# KiCad board 2000ATX.kicad_pcb (continued)
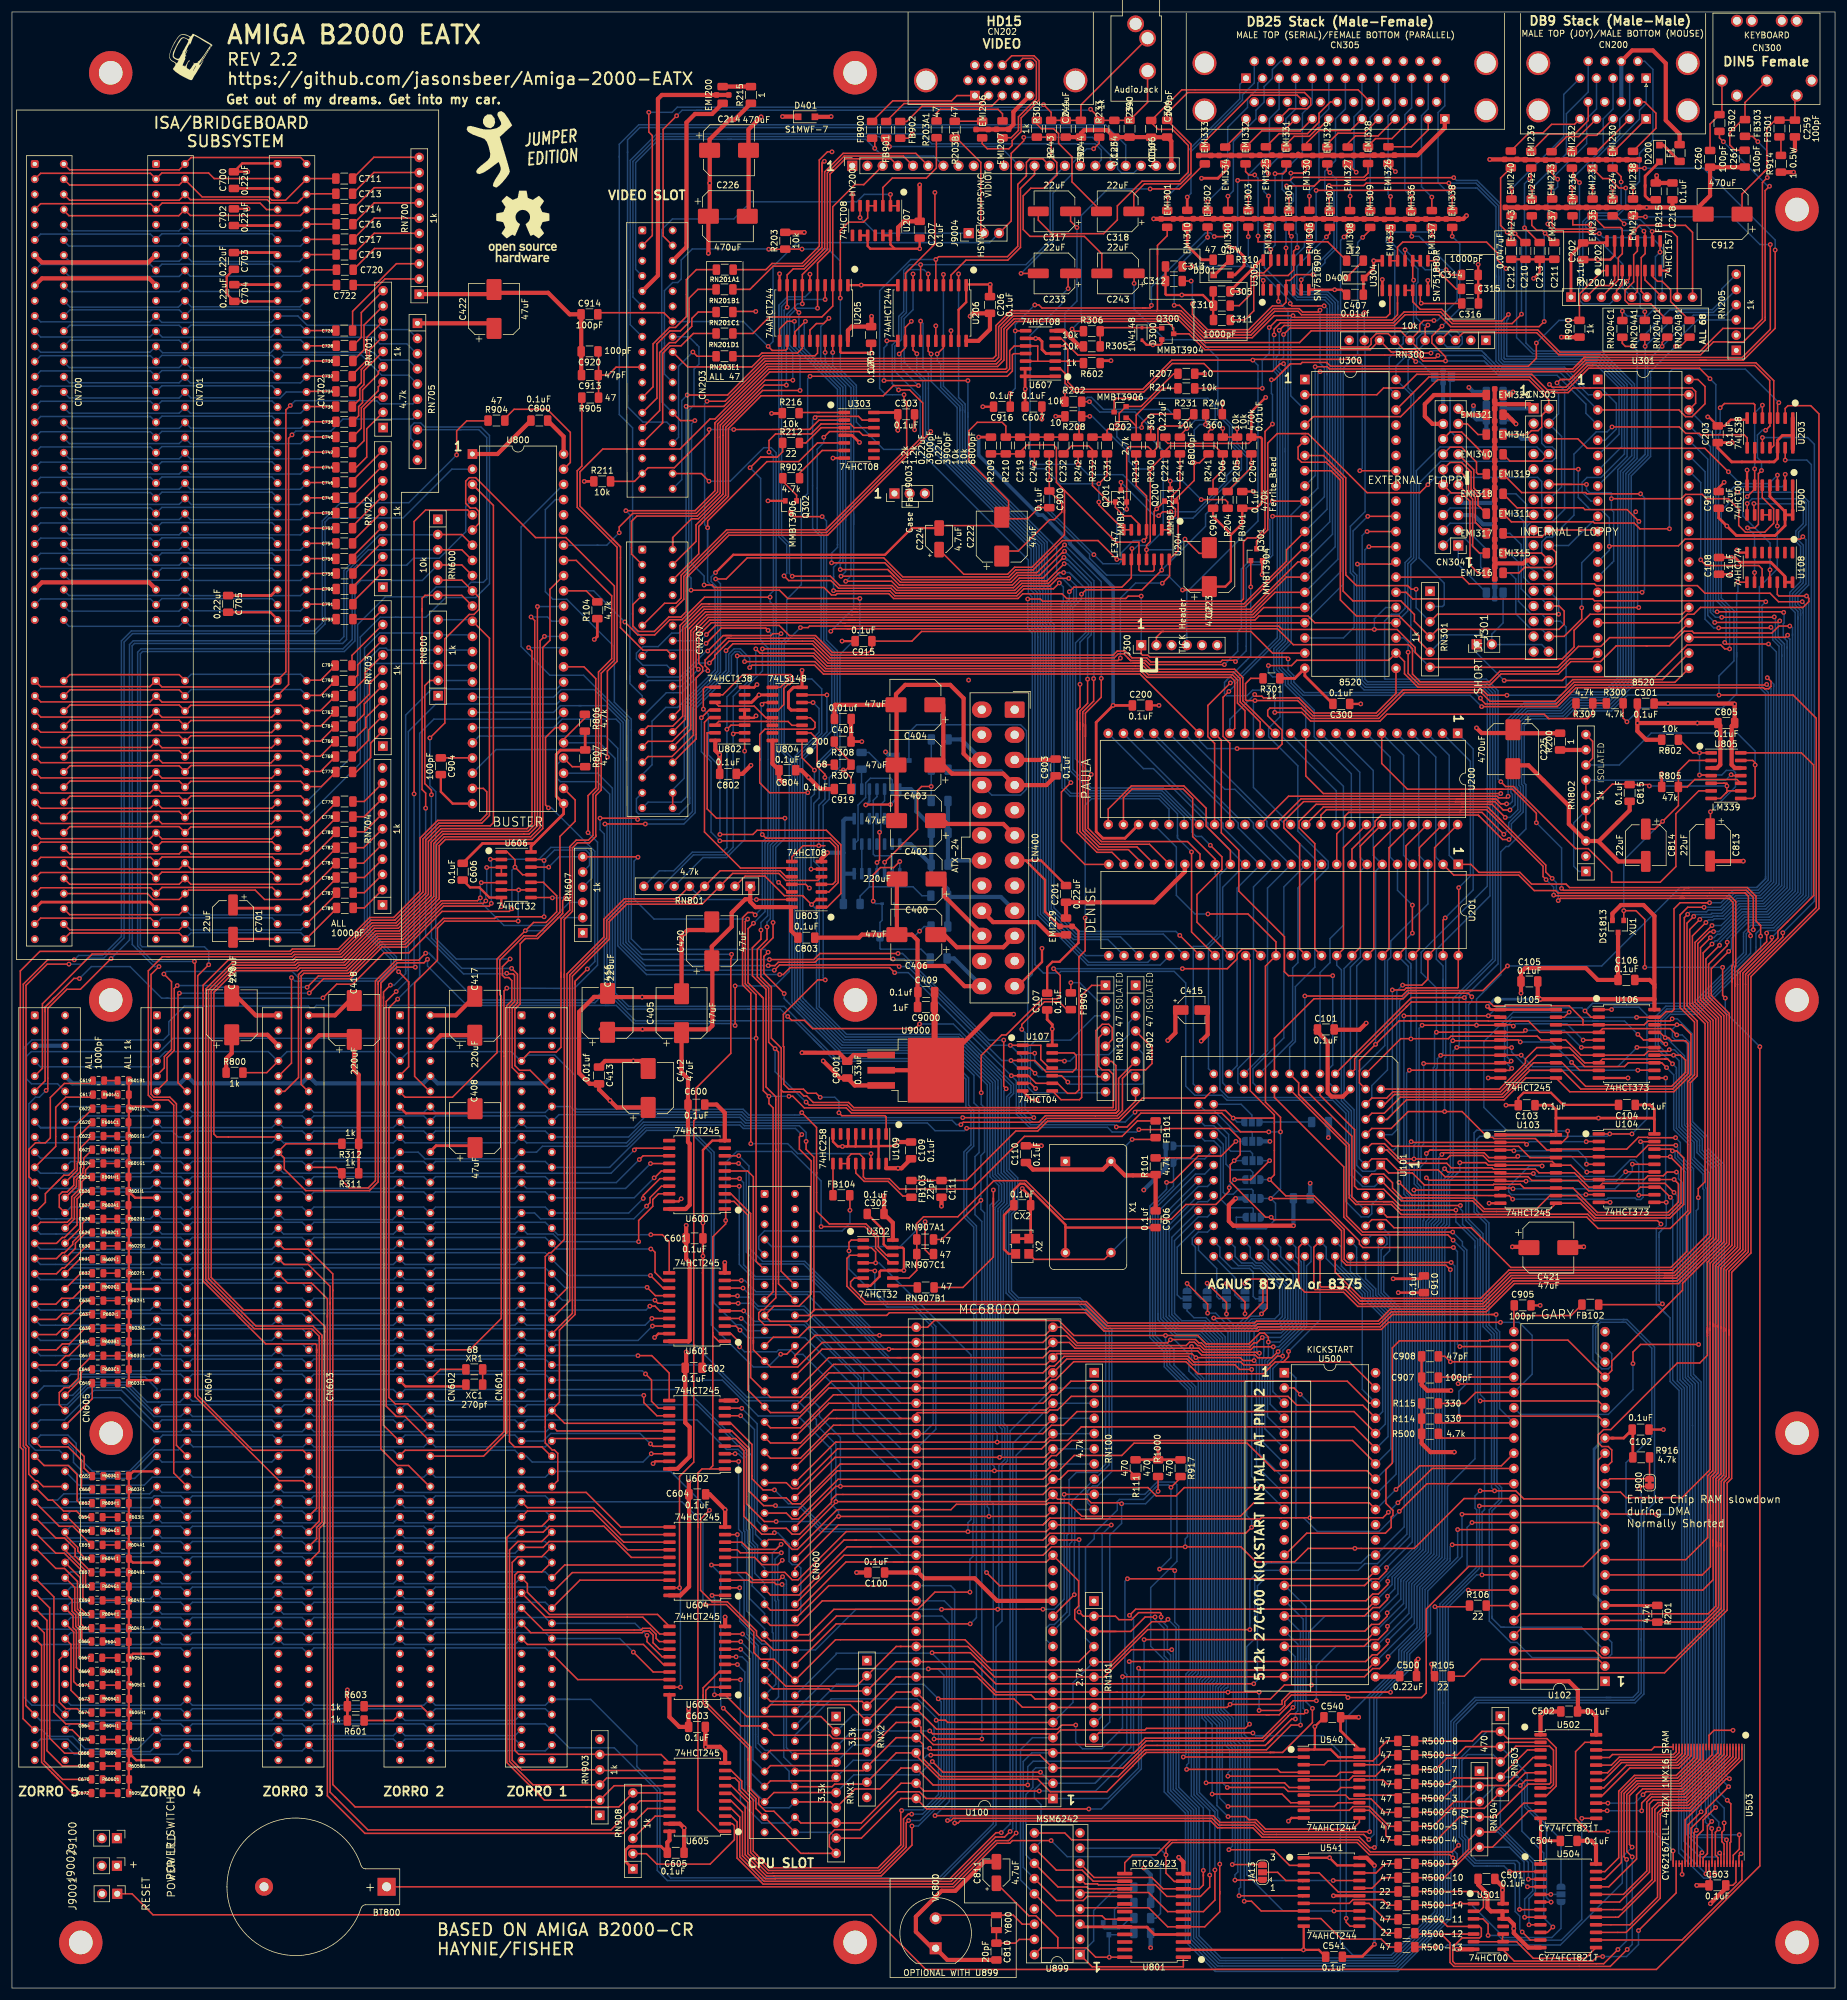
[diagram p0: board, top side]
## Routing (per net, layer and track width the routed paths; a pad name or vN(x,y) marks a point on that pad's centre or on a via; arc(x,y) is an arc through that point) (continued)
  Bottom w0.25: v1(270.05,6.45) 270.89,7.29 v1(270.89,21.91)
/Memory and Kickstart/_MRAS0: length 15.4
  Top w0.25: U501.2 245.34,12.83 246.01,13.5 246.01,15.11 245,16.13 R500-15.1
/Memory and Kickstart/_MRAS1: length 34.2
  Top w0.25: R500-14.1 240.81,13.83 241.08,14.1 U501.1
  Bottom w0.25: 242.11,14.11 v1(242.14,14.11) 243.82,14.11 249.49,8.44 257.45,8.44 258.98,9.97 JA14.3
/Memory and Kickstart/_MWE: length 72.5
  Top w0.25: R500-13.1 234.56,6.85 v1(238.22,6.85) ; v1(270.87,23.54) 270.43,23.98 270.43,32.15 272.01,33.72 279.01,33.72 284.23,38.95 U503.11
  Bottom w0.25: v1(238.22,6.85) 239.66,6.85 240,7.19 258.86,7.19 269.23,17.56 269.23,21.9 v1(270.87,23.54)
/Memory and Kickstart/_SRAMCE: length 40.8
  Top w0.25: U503.26 278.23,15.9 v1(271.94,9.61) ; 249.21,6.47 251.16,4.51 264.3,4.51 265.05,5.26 v1(265.95,5.26)
  Bottom w0.25: v1(271.94,9.61) 271.94,7.27 269.94,5.26 v1(265.95,5.26)
/Memory and Kickstart/CAS: length 23.7
  Top w0.25: 244.26,7.74 249.21,7.74 ; 249.21,7.74 249.21,9.01 ; 249.21,7.74 251.58,7.74 254.35,4.96 263.04,4.96 U504.13
/Memory and Kickstart/DRAB0: length 49.5
  Top w0.25: U502.2 249.56,41.05 RN503.3 243.05,40.34 241.63,38.91 R500-1.1
  Bottom w0.25: RN503.3 253.34,35.84 253.34,30.44 258.98,24.8 JA14.1
/Memory and Kickstart/DRAB1: length 51.3
  Top w0.25: U504.6 255.56,14.36 v1(257.33,14.36) ; U502.3 253.37,39.78 RN503.5 248.69,35.1 241.09,35.1 240.09,34.1 R500-2.1
  Bottom w0.25: v1(257.33,14.36) 256.56,15.13 256.56,26.59 252.89,30.26 252.89,34.19 251.83,35.26 RN503.5
/Memory and Kickstart/DRAB2: length 56.7
  Top w0.25: v1(252.05,13.13) 252.07,13.11 U504.7 255.54,13.11 ; R500-3.1 239.32,31.7 241.3,33.69 RN504.2 245.5,33.84 249.66,33.84 254.33,38.51 U502.4
  Bottom w0.25: v1(252.05,13.13) 252.05,16.93 252.05,20.83 251.58,21.29 245.31,21.29 245.31,21.3 244.79,21.3 243.48,22.6 243.48,24.98 242.87,25.59 242.87,31.21 RN504.2
/Memory and Kickstart/DRAB3: length 55.6
  Top w0.25: 255.55,37.24 U502.5 257.05,37.24 257.28,37.01 257.28,34.33 257.03,34.08 253.48,34.08 248.01,28.61 RN504.4 242.05,28.61 238.15,24.7 R500-4.1 ; v1(252.9,11.83) 255.53,11.83 U504.8
  Bottom w0.25: v1(252.9,11.83) 252.9,14.86 254.25,16.21 254.25,20.92 246.56,28.61 RN504.4
/Memory and Kickstart/DRAB4: length 51.7
  Top w0.25: R500-5.1 237.63,27.02 240.63,30.02 246.15,30.02 RN503.6 249.77,32.72 253.03,35.97 U502.6 255.54,35.96 ; U504.9 v1(253.63,10.57)
  Bottom w0.25: RN503.6 248.84,26.96 254.7,21.1 254.7,16.02 253.63,14.95 v1(253.63,10.57)
/Memory and Kickstart/DRAB5: length 51.6
  Top w0.25: U504.10 256.71,9.3 v1(257.62,10.21) ; R500-6.1 239.32,29.35 241.12,31.15 RN504.3 ; v1(252.17,33.84) 253.03,34.7 U502.7
  Bottom w0.25: v1(257.62,10.21) 256.11,11.72 256.11,22.56 252.44,26.22 252.44,33.61 252.21,33.84 v1(252.17,33.84) 248.04,33.84 RN504.3
/Memory and Kickstart/DRAB6: length 81.4
  Top w0.25: U502.8 257.19,33.43 257.73,33.97 257.73,39.74 257.06,40.41 251.46,40.41 RN503.4 248.21,38.43 239.92,38.43 238,36.5 R500-7.1 ; U504.11 253.84,8.03 v1(252.5,9.37)
  Bottom w0.25: v1(252.5,9.37) 252.1,9.77 252.1,12.01 251.32,12.78 251.32,20.65 251.13,20.84 244.61,20.84 243.03,22.42 243.03,24.79 242.42,25.4 242.42,38.06 243.36,39 247.63,39 RN503.4
/Memory and Kickstart/DRAB7: length 74.5
  Top w0.25: R500-8.1 244.18,41.29 245.77,42.88 RN503.2 250.04,41.68 256.63,41.68 258.18,40.13 258.18,33.76 256.58,32.16 U502.9 ; U504.2 v1(250.38,19.46)
  Bottom w0.25: RN503.2 246.6,42.88 241.97,38.25 241.97,25.22 242.58,24.6 242.58,22.23 244.42,20.39 246.71,20.39 ; v1(250.38,19.46) 249.45,20.39 246.71,20.39 ; 246.71,20.39 246.44,20.39
/Memory and Kickstart/DRAB8: length 41.2
  Top w0.25: R500-9.1 241.14,20.77 243.56,23.19 243.56,24.71 244.92,26.07 RN504.5 247.93,26.07 252.76,30.89 U502.10 ; v1(253.53,18.19) U504.3
  Bottom w0.25: RN504.5 248.47,26.07 253.53,21.01 v1(253.53,18.19)
/Memory and Kickstart/DRAB9: length 41.4
  Top w0.25: RN504.6 244.54,23.53 239.45,18.44 R500-10.1 ; RN504.6 247.51,23.53 253.61,29.62 U502.11 ; RN504.6 246.03,23.53 ; U504.4 v1(253.37,16.92)
  Bottom w0.25: v1(253.37,16.92) 252.8,17.48 252.8,21.09 250.37,23.53 RN504.6
/Memory and Kickstart/DRABx: length 3.4
  Top w0.25: U504.5 v1(257.28,15.65)
  Bottom w0.25: JA14.2 258.98,15.65 v1(257.28,15.65)
/Memory and Kickstart/DRAC0: length 35.9
  Top w0.25: U503.25 277.73,22.9 v1(277.72,22.92) ; v1(266.82,26.14) 263.6,26.14 261.42,28.31 261.42,39.5 262.97,41.05 U502.23
  Bottom w0.25: v1(266.82,26.14) 274.49,26.14 v1(277.72,22.92)
/Memory and Kickstart/DRAC1: length 13.1
  Top w0.25: U503.24 274.6,40.28 274.11,39.78 U502.22
/Memory and Kickstart/DRAC2: length 14.6
  Top w0.25: U503.23 278.23,39.48 277.78,39.02 267.59,39.02 267.08,38.51 U502.21
/Memory and Kickstart/DRAC3: length 15.7
  Top w0.25: U502.20 267.4,37.24 268.73,38.57 277.96,38.57 278.73,39.34 U503.22
/Memory and Kickstart/DRAC4: length 16.8
  Top w0.25: U502.19 266.77,35.97 268.92,38.12 278.15,38.12 279.23,39.2 U503.21
/Memory and Kickstart/DRAC5: length 17.9
  Top w0.25: U503.20 279.73,39.07 278.34,37.67 269.1,37.67 266.14,34.7 U502.18
/Memory and Kickstart/DRAC6: length 19
  Top w0.25: U503.19 280.23,38.93 278.52,37.22 269.92,37.22 266.14,33.43 U502.17
/Memory and Kickstart/DRAC7: length 20.1
  Top w0.25: U502.16 265.88,32.16 270.49,36.77 278.71,36.77 280.73,38.79 U503.18
/Memory and Kickstart/DRAC8: length 25.4
  Top w0.25: U503.8 285.73,40.14 285.68,40.09 285.68,39.13 279.38,32.82 273.23,32.82 v1(272.7,32.29) ; U502.15 v1(266.82,30.89)
  Bottom w0.25: v1(266.82,30.89) 271.3,30.89 v1(272.7,32.29)
/Memory and Kickstart/DRAC9: length 27.3
  Top w0.25: v1(272.47,29.61) 272.47,30.9 273.94,32.37 279.57,32.37 286.23,39.04 U503.7 ; U502.14 v1(266.7,29.62)
  Bottom w0.25: v1(272.47,29.61) 272.46,29.62 v1(266.7,29.62)
/Memory and Kickstart/DRAD1: length 40.7
  Top w0.25: U504.19 268.79,14.38 273.77,19.36 273.77,30.79 274.42,31.43 279.9,31.43 287.23,38.77 U503.5
/Memory and Kickstart/DRAD2: length 42.1
  Top w0.25: U503.4 287.73,38.63 280.08,30.98 275.18,30.98 274.22,30.03 274.22,18.12 269.21,13.11 U504.18
/Memory and Kickstart/DRAD3: length 43.2
  Top w0.25: U504.17 268.58,11.84 274.67,17.93 274.67,29.84 275.37,30.53 280.27,30.53 288.23,38.49 U503.3
/Memory and Kickstart/DRAD4: length 45.6
  Top w0.25: U503.2 288.73,38.36 280.46,30.08 275.96,30.08 275.12,29.24 275.12,15.19 270.5,10.57 U504.16
/Memory and Kickstart/DRAD5: length 46.7
  Top w0.25: U503.1 289.23,38.22 280.64,29.63 276.16,29.63 275.58,29.06 275.58,29.06 275.57,29.06 275.57,15 269.87,9.3 U504.15
/Memory and Kickstart/DRAD6: length 31.3
  Top w0.25: U503.48 289.23,18.05 279.21,8.03 U504.14
/Memory and Kickstart/DRAD7: length 32.6
  Top w0.25: U504.23 266.32,19.46 268.63,21.77 268.63,32.89 271.26,35.52 278.26,35.52 281.23,38.5 U503.17
/Memory and Kickstart/DRAD8: length 34
  Top w0.25: U503.16 281.73,38.36 278.45,35.07 271.45,35.07 269.08,32.71 269.08,20.99 266.28,18.19 U504.22
/Memory and Kickstart/DRAD9: length 36.9
  Top w0.25: U504.21 266.97,16.92 271.62,21.56 271.62,32.26 272.63,33.27 279.2,33.27 285.23,39.31 U503.9
/Memory and Kickstart/DRADx: length 39.7
  Top w0.25: U504.20 269.42,15.65 273.32,19.55 273.32,31.1 274.15,31.92 279.75,31.92 286.73,38.9 U503.6
/Memory and Kickstart/RAS: length 41.5
  Top w0.25: v1(246.8,8.79) 246.8,10.69 245.94,11.55 244.26,11.55 ; U502.13 v1(262.46,28.35)
  Bottom w0.25: v1(262.46,28.35) 262.46,11.42 259.02,7.99 249.3,7.99 248.5,8.79 v1(246.8,8.79)
/Paula/FIR0: length 26.3
  Top w0.25: v1(271.02,300.79) 271.02,298.73
  Bottom w0.25: v1(271.02,300.79) 272.1,301.87 272.1,306.57 274.35,308.82 274.35,320.59 272.97,321.97 CN200.6
/Power/_PS-ON: length 44.3
  Bottom w0.25: 161.67,200.55 CN400.16 163.82,199.34 168.63,199.34 169.62,200.32 169.62,210.11 168.63,211.09 151.24,211.09 149.97,209.81 Q9100.3
/Serial/CD: length 117
  Top w0.25: U305.11 v1(213,290.78) ; 213.07,301.13 v1(213.09,301.13) 217.75,301.13 218.73,302.11 226.2,302.11 226.45,302.37 ; 226.45,302.37 226.59,302.51 v1(241.05,302.51) ; 226.45,302.37 226.49,302.41
  Bottom w0.25: v1(213,290.78) 213,297.38 214.24,298.62 214.24,299.76 213.06,300.95 ; v1(241.05,302.51) 241.51,302.05 244.96,302.05 ; 244.96,302.06 249.01,298.01 249.01,290.41 ; 249.01,284.09 249.01,272.2 249.46,271.75 264.98,271.75 269.14,267.59 269.14,257.56 U301.7 ; 249.01,284.09 249.01,285.34 ; 249.01,284.09 249.01,290.41 ; 249.01,290.41 249.01,290.9
/Serial/CTS: length 113.4
  Top w0.25: U305.6 v1(215.54,285.45) ; v1(220.22,301.19) 226.01,301.19 226.42,301.6 v1(240.23,301.6)
  Bottom w0.25: 245.25,301.13 244.78,301.6 v1(240.23,301.6) ; 245.25,301.13 245.12,301.26 ; 245.25,301.13 248.56,297.82 248.56,289.26 ; U301.6 268.69,259.65 268.69,267.41 264.79,271.3 249.27,271.3 248.56,272.02 248.56,285.45 ; v1(220.22,301.19) 221.03,300.38 221.03,290.93 220.68,290.58 ; 248.56,285.45 248.56,286.05 ; 248.56,285.45 248.56,289.26 ; 220.68,290.58 v1(215.54,285.45) ; 220.68,290.58 220.97,290.87 ; 248.56,289.26 248.56,290.71
/Serial/DSR: length 102.9
  Top w0.25: U305.8 v1(216.81,290.73) ; v1(241,300.79) 240.6,300.39 v1(218.04,300.39)
  Bottom w0.25: 248.11,276.4 248.11,271.83 249.09,270.85 259.57,270.85 263.05,267.37 265.67,267.37 268.24,264.8 268.24,260.51 266.35,258.62 U301.5 ; 248.11,276.4 248.11,285.95 ; 248.11,276.4 248.11,276.81 ; 248.11,285.95 248.11,289.71 ; 248.11,285.95 248.11,286.21 ; 248.11,289.71 248.11,290.53 ; 248.11,289.71 248.11,297.63 244.96,300.79 244.71,300.79 244.7,300.79 v1(241,300.79) ; v1(218.04,300.39) 218.04,291.95 217.17,291.08 ; 217.17,291.08 v1(216.81,290.73) ; 217.17,291.08 217.64,291.56
/Serial/DTR: length 87
  Top w0.25: U304.13 U304.12 231.65,290.88 232.51,291.74 246.53,291.74 248.36,289.92 248.36,288.75 v1(249.78,287.32)
  Bottom w0.25: U301.9 263.99,248.46 262.52,249.94 262.52,251.6 263.33,252.42 265.67,252.42 269.59,256.34 269.59,267.78 265.16,272.2 249.65,272.2 249.46,272.39 249.46,287 v1(249.78,287.32)
/Serial/RESET: length 514.4
  Top w0.25: v1(292.23,157.29) 292.23,20.4 274.93,3.11 152.79,3.11 143.65,12.25 23.57,12.25 20.07,15.75 J9001.1 ; v1(272.99,170.56) 272.99,178.56 271.53,180.02 v1(269.48,180.02) XU1.1 ; R805.2 278.62,197.59 v1(275.97,194.95) 274.68,193.66 C814.1 ; R805.2 280.11,200.71 281.35,201.95 288.41,201.95 U805.10 ; R805.2 278.62,203.33 280.42,205.13 U805.2 ; v1(286,170.56) 286,165.86 v1(286.45,165.42)
  Bottom w0.25: v1(292.23,157.29) 286.45,163.07 v1(286.45,165.42) ; v1(275.97,194.95) 269.48,188.45 v1(269.48,180.02) ; v1(272.99,170.56) v1(286,170.56)
/Serial/RTS: length 69.1
  Top w0.25: U304.4 U304.5 234.19,281.78 235.46,280.51 239.05,280.51 240.98,278.58 249.12,278.58 v1(250.19,279.65)
  Bottom w0.25: v1(250.19,279.65) 250.19,278.95 249.91,278.67 249.91,272.72 249.98,272.65 265.35,272.65 270.04,267.96 270.04,255.92 U301.8
/Video/_COMPSYNC: length 124.8
  Top w0.25: 97.99,279.64 C914.2 98.21,279.95 108.98,279.95 CN203.14 ; J9004.3 167.06,295.27 167.06,306.58 169.16,308.68 v1(169.16,309.25) ; U205.12 129.6,273.9 129.35,273.65 127.1,273.65 v1(126.43,274.32)
  Bottom w0.25: v1(169.16,309.25) 180.65,309.25 183.67,306.23 HY200.18 ; J9004.3 163.45,291.66 131.25,291.66 127.24,287.64 127.24,275.13 v1(126.43,274.32) 122.28,278.47 CN203.14
/Video/BLUE: length 117.4
  Top w0.25: FB902.2 149.84,309.1 v1(150.56,309.81)
  Bottom w0.25: v1(150.56,309.81) 152.15,309.81 153.8,308.17 181.1,308.17 182.13,307.13 182.13,305.5 HY200.17 ; CN203.15 103.37,277.94 103.37,305.41 107.79,309.83 150.57,309.83
/Video/BURST: length 28.3
  Top w0.25: 134.68,275.26 134.68,273.19 134.24,272.75 125.56,272.75 123.7,270.89 112.96,270.89 CN203.18
/Video/COMPVID: length 175.3
  Bottom w0.25: 101.54,305.96 101.54,308.09 104.8,311.35 182.82,311.35 186.21,307.96 HY200.19 ; 101.54,305.96 101.54,306.11 ; 101.54,305.96 101.54,262.93 103.76,260.7 103.76,229.74 ; 103.76,229.74 103.76,227.25 105.38,225.63 ; 103.76,229.74 103.76,229.51
/Video/GREEN: length 94.8
  Top w0.25: v1(146.7,307.72) 146.16,308.25 146.15,308.25 FB901.2
  Bottom w0.25: HY200.12 165.21,307.72 v1(146.7,307.72) 145.04,309.38 107.98,309.38 103.82,305.22 103.82,282.57 CN203.11
/Video/PIXELSW: length 21.1
  Top w0.25: v1(113.84,273.38) 114.55,272.67 RN203E1.1
  Bottom w0.25: 112.14,271.68 111.91,271.45 ; 112.14,271.68 v1(113.84,273.38) ; 112.14,271.68 111.44,270.98 111.44,259.13 CN203.30
/Video/RED: length 76.9
  Top w0.25: FB900.2 144.25,308.65 v1(144.25,307.41)
  Bottom w0.25: 144.62,307.05 v1(144.25,307.41) 142.74,308.93 120.25,308.93 ; 144.62,307.05 145.54,306.12 154.1,306.12 HY200.7 ; 144.62,307.05 144.73,306.93 ; 119.67,308.93 120.25,308.93 ; 120.25,308.93 108.17,308.93 104.27,305.03 104.27,287.2 CN203.7
/Video/SYNC: length 147.9
  Bottom w0.25: 102.92,306.73 102.92,306.86 ; 102.92,306.73 102.92,308.84 104.96,310.89 175.74,310.89 175.75,310.9 182.32,310.9 184.84,308.38 184.84,303.97 185.5,303.32 187.57,303.32 HY200.20 ; 102.92,306.73 102.92,283.77 ; 102.92,283.44 102.92,283.77 ; 102.92,283.77 102.92,266.12 ; CN203.28 109.48,261.67 105.49,261.67 102.92,264.24 102.92,266.12 ; 102.92,266.12 102.92,265.23
/Zorro_Expansion/_CFGIN2: length 93
  Top w0.25: v1(27.99,166.24) 27.76,166.01 27.76,151.26 29.18,149.83 ; v1(83.59,180.34) 83.16,179.91 71.9,179.91 65.94,173.94 61.87,173.94 56.57,168.64 52.08,168.64 v1(49.71,166.27) ; U606.1 82.8,189.84 84.1,188.54 v1(84.1,187.3) 85.37,186.03 U606.11
  Bottom w0.25: v1(27.99,166.24) 49.68,166.24 v1(49.71,166.27) ; v1(83.59,180.34) 83.59,186.79 v1(84.1,187.3)
/Zorro_Expansion/_CFGIN3: length 65.3
  Top w0.25: 49.5,149.83 48.35,150.98 48.35,169.11 ; v1(79.22,181.66) 78.8,181.24 71.96,181.24 65.56,174.84 61.5,174.84 56.22,169.56 48.81,169.56 48.35,169.11 ; v1(79.38,187.25) 81.78,187.25 U606.3 U606.4 ; 48.35,169.11 48.35,169.16
  Bottom w0.25: v1(79.38,187.25) 79.38,182.98 79.22,182.83 v1(79.22,181.66)
/Zorro_Expansion/_CFGIN4: length 54.1
  Top w0.25: 69.82,149.83 67.32,152.34 67.32,167.93 71.13,171.75 71.13,177.1 72.31,178.28 v1(84.63,178.28) ; U606.9 v1(84.71,183.49) U606.6
  Bottom w0.25: v1(84.63,178.28) 84.63,183.41 v1(84.71,183.49)
/Zorro_Expansion/_CFGIN5: length 46.3
  Top w0.25: 90.14,149.83 86.62,153.35 84.87,153.35 84.08,154.14 84.08,163.56 84.96,164.44 84.96,174.5 85.83,175.37 87.87,175.37 92.07,179.56 92.07,181.7 v1(92.53,182.17) ; U606.8 90.3,182.22 v1(90.35,182.17)
  Bottom w0.25: v1(90.35,182.17) 92.48,182.17
/Zorro_Expansion/_CFGOUT1: length 137.1
  Top w0.25: 7.09,165.46 6.91,165.28 ; 6.91,165.28 5.54,163.91 5.54,163.18 ; 6.91,165.28 7.19,165.56 ; v1(51.99,165.46) 54.28,167.74 56.95,167.74 62.18,172.97 66.37,172.97 72.13,178.73 80.71,178.73 80.99,179.01 v1(88.96,179.01) ; 3.78,149.83 5.54,151.59 5.54,163.18 ; v1(88.96,188.4) 88.8,188.57 U606.13 87.75,188.57 ; 11.25,168.71 10.36,168.71 5.54,163.89 5.54,163.18
  Bottom w0.25: RN607.5 96.55,187.61 96.55,189.57 95.97,190.15 90.71,190.15 v1(88.96,188.4) v1(88.96,179.01) ; 26.06,165.4 25.02,165.4 19.74,170.68 13.28,170.68 v1(11.28,168.68) ; 26.06,165.4 25.83,165.4 ; 26.06,165.4 51.93,165.39 v1(51.99,165.46)
/Zorro_Expansion/_CFGOUT2: length 111.7
  Top w0.25: 27.71,167.59 v1(27.64,167.51) 27.13,167 27.13,156.66 25.93,155.46 25.93,151.66 24.1,149.83 ; v1(79.98,188.62) 81.78,188.62 U606.2 ; v1(80.14,181.25) 79.83,180.79 72.15,180.79 65.75,174.39 61.68,174.39 56.41,169.11 51.23,169.11 v1(49.35,167.23)
  Bottom w0.25: v1(49.35,167.23) 34.42,167.23 34.14,167.51 v1(27.64,167.51) ; RN607.4 97,185.52 97,189.75 96.15,190.6 90.09,190.6 88.11,188.62 v1(79.98,188.62) 80.14,188.47 v1(80.14,181.25)
/Zorro_Expansion/_CFGOUT3: length 84.6
  Top w0.25: 44.42,149.83 45.59,149.83 47.9,152.15 47.9,169.35 48.57,170.01 56.03,170.01 61.31,175.29 65.13,175.29 ; v1(78.46,184.71) 81.78,184.71 U606.5 ; v1(78.31,182.17) 77.83,181.69 71.78,181.69 69.65,179.56 69.61,179.56 65.33,175.29 65.13,175.29 ; 65.13,175.29 65.38,175.29
  Bottom w0.25: RN607.3 93.19,181.41 89.34,177.56 82.25,177.56 78.31,181.5 v1(78.31,182.17) 78.31,184.56 v1(78.46,184.71)
/Zorro_Expansion/_CFGOUT4: length 67.1
  Top w0.25: U606.10 88.83,184.76 91.07,182.52 91.07,179.84 89.29,178.05 87.2,178.05 v1(85.83,176.68) 81.1,171.96 81.1,156.31 73.65,148.85 65.72,148.85 64.74,149.83
  Bottom w0.25: v1(85.83,176.68) 89.1,176.68 91.29,178.87 RN607.2
_AS: length 473.4
  Top w0.25: v1(154.52,44.75) 156.07,44.75 156.44,44.39 U100.6 ; v1(244.07,165.63) 243.47,166.23 233.5,166.23 232.58,165.31 217.69,165.31 211.07,158.7 U101.24 ; U605.9 120.25,36.35 122.02,34.58 122.02,33.37 123.93,31.46 123.93,22.86 124.6,22.2 124.6,22.17 126.68,20.09 144.77,20.09 148.6,23.92 148.6,29.53 v1(148.74,29.67) ; U102.13 252.77,81.74 251.42,83.08 v1(247.88,83.08) v1(245.47,83.08) ; v1(193.27,61.62) 192.87,61.22 190.57,61.22 183.86,54.51 RN101.5
  Bottom w0.25: 245.94,125.46 245.94,125.29 ; 245.94,125.29 245.94,126.04 243.53,128.46 243.53,164.34 244.07,164.88 v1(244.07,165.63) ; 245.94,125.29 245.94,110.52 247.37,109.1 247.37,83.59 v1(247.88,83.08) ; 194.63,54.98 194.63,59.55 ; 194.63,59.55 194.63,60.26 v1(193.27,61.62) ; 194.63,59.55 194.63,34.23 194.63,33.33 198.01,29.95 198.01,8.49 201.92,4.59 230.95,4.59 238.75,12.38 238.75,49.29 238.75,64.17 244.89,70.32 244.89,79.92 244.61,80.2 244.61,82.23 v1(245.47,83.08) ; v1(148.74,29.67) 148.86,29.78 152.33,29.78 154.91,32.37 154.91,44.36 v1(154.52,44.75) 154.52,45.17 151.36,48.33 136.98,48.33 130.91,42.26 CN600.74 ; U100.6 177.39,47.73 177.39,51 RN101.5
_BAS: length 376.4
  Top w0.25: U605.11 108.53,39.01 RN903.5 98.23,39.05 84.72,39.05 84.08,39.69 84.08,69.03 84.59,69.53 88.58,69.53 90.14,71.09 ; 52.28,109.64 52.28,77.68 51.38,76.78 51.38,72.97 49.5,71.09 ; 52.28,109.64 52.28,109.77 ; 52.28,109.64 52.28,110.27 ; v1(89.03,225.86) 88.3,225.13 88.3,193.95 86.72,192.37 72.28,192.37 70.97,191.07 70.97,182.2 64.96,176.19 60.94,176.19 55.66,170.91 47.99,170.91 47.54,170.46 37.19,170.46 33.31,166.58 33.31,118.74 38.75,113.29 49.52,113.29 52.28,110.53 52.28,110.27 ; 52.28,110.27 52.28,110.4 ; CN605.74 11.4,68.58 11.4,63.51 12.43,62.48 C663.2
  Bottom w0.25: 8.86,71.09 9.84,72.07 28.2,72.07 29.18,71.09 30.16,72.07 48.52,72.07 49.5,71.09 50.48,72.07 68.84,72.07 69.82,71.09 70.8,72.07 89.16,72.07 90.14,71.09 ; v1(89.03,225.86) U800.36
_BEER: length 320.6
  Top w0.25: 81.81,165 81.81,165.35 ; 81.81,165 81.81,111.9 76.57,106.65 69.82,106.65 ; 81.81,165 81.81,165.76 81.55,166.02 81.55,171.77 85.6,175.82 87.69,175.82 91.62,179.75 91.62,192.43 94.16,194.97 94.16,198.53 U800.26 ; CN600.46 130.91,77.01 137.73,83.84 v1(138.51,83.84) 172.85,83.82 U100.22 175.17,85.01 176.61,86.45 186.87,86.45 R111.2
  Bottom w0.25: 138.51,83.8 v1(138.51,83.84) 138.51,92 134.99,95.51 134.99,97.04 133.33,98.7 122.92,98.7 114.17,107.46 90.95,107.46 90.14,106.65 89.16,107.63 70.8,107.63 69.82,106.65 68.84,107.63 50.48,107.63 49.5,106.65 48.52,107.63 30.16,107.63 29.18,106.65 28.2,107.63 9.84,107.63 8.86,106.65
_BG: length 258.8
  Top w0.25: v1(166.22,150.27) 165.81,150.67 v1(165.81,158.39) ; v1(126.64,171.86) 134.06,171.86 135.08,172.87 v1(148.13,172.87)
  Bottom w0.25: v1(126.64,171.86) 105.5,171.86 102.63,174.73 102.63,211.67 97.33,216.97 91.83,216.97 90.56,215.7 U800.17 ; v1(148.13,172.87) 148.89,172.87 163.37,158.39 v1(165.81,158.39) ; v1(166.22,150.27) 165.85,149.9 165.85,136.41 167.25,135.01 167.25,130.73 166.2,129.69 166.2,116.14 167.89,114.45 178.16,114.45 182.86,109.75 182.86,105.83 182.84,87.51 181.49,86.16 177.96,86.16 176.73,84.94 176.73,76.02 176.37,75.66 176.37,62.82 174.29,60.74 173.5,60.74 172.92,60.15 172.92,58.2 U100.11
_BGACK: length 709.2
  Top w0.25: v1(172.36,63.3) v1(164.8,63.29) v1(155.42,63.28) ; v1(134.26,262.41) 134.48,262.63 141.53,262.63 142.16,262 144.11,262 144,261.9 ; CN600.62 127.3,56.5 125.74,58.06 125.36,58.06 124.48,58.94 124.48,59.67 119.62,64.53 117.05,64.53 115.13,66.45 115.13,78.35 v1(116.61,79.83) ; 273.79,83.81 272.41,83.81 v1(272.02,83.42) ; RN100.9 v1(175.92,82.5)
  Bottom w0.25: 90.14,86.33 89.16,85.35 70.8,85.35 69.82,86.33 68.84,85.35 50.48,85.35 49.5,86.33 ; CN601.62 110.11,86.33 v1(116.61,79.83) ; 164.85,150.27 164.85,136.13 166.35,134.64 166.35,131.1 165.3,130.06 165.3,128.22 165.3,94.26 165.98,93.58 165.98,88.31 165,87.33 165,63.49 v1(164.8,63.29) ; 164.85,150.27 164.85,150.62 ; 164.85,150.27 164.85,151.68 158.07,158.46 140.09,158.46 139.17,158.46 132.7,164.94 132.7,164.94 132.21,165.43 132.21,205.22 137.07,210.08 137.07,223.12 135.28,224.91 135.28,242.49 133.86,243.91 133.86,260.86 ; CN604.62 30.29,85.35 48.65,85.35 CN603.62 ; 272.39,58.32 272.39,83.05 v1(272.02,83.42) ; 272.39,58.32 272.39,58.06 ; 272.39,58.32 272.39,49.31 271.18,48.1 270.67,48.1 ; RN100.9 189.4,82.5 191.45,84.55 194.32,84.55 194.77,84.1 194.77,71.3 190.38,66.91 190.38,57.12 192.64,54.86 192.64,32.78 196.2,29.21 196.2,7.75 201.17,2.79 231.7,2.79 240.58,11.67 240.58,19.65 241.63,20.7 241.63,22.41 241.03,23.01 241.03,44.36 244.77,48.1 270.67,48.1 ; 29.18,86.33 28.2,85.35 23.44,85.35 22.12,84.04 11.19,84.04 CN605.62 ; 133.86,260.86 133.86,261.01 ; 133.86,260.86 133.86,261.38 133.85,261.39 133.85,261.99 v1(134.26,262.41) ; 147.23,63.28 v1(155.42,63.28) ; 147.23,63.28 141.12,63.28 134.34,56.5 CN600.62 ; 147.23,63.28 147.03,63.28 ; 270.67,48.1 271.05,48.1 ; v1(175.92,82.5) 175.92,64.97 174.24,63.3 v1(172.36,63.3)
_BHS: length 190.2
  Top w0.25: 140,227.13 137.32,227.13 v1(136.91,226.72) ; 140,227.13 139.65,227.13 ; 140,227.13 211.57,227.13 214.23,224.48 233.48,224.48 234.15,223.81 234.15,219.56 235.44,218.27 247,218.27 248.76,220.03 258.39,220.03 260.45,222.1 264.16,222.1 U301.19 ; U205.18 v1(137.22,273.3)
  Bottom w0.25: 140.72,246.29 140.72,244.56 ; 140.72,246.29 140.72,230.54 v1(136.91,226.72) ; 140.72,246.29 140.72,267.61 137.22,271.11 v1(137.22,273.3)
_BLDS: length 381.4
  Top w0.25: U605.13 99.42,35.08 RN903.3 98.24,33.97 87.09,33.97 83.18,37.87 83.18,73.2 84.59,74.61 88.58,74.61 90.14,76.17 ; 49.5,76.17 51.38,78.05 51.38,108.53 ; v1(86.79,229.11) 87.4,228.5 87.4,194.39 86.28,193.27 71.91,193.27 70.07,191.44 70.07,182.58 64.59,177.09 60.57,177.09 55.29,171.81 47.62,171.81 47.17,171.36 36.82,171.36 32.41,166.95 32.41,166.6 ; CN605.70 8.89,75.72 11,73.61 11,73.03 12.27,71.75 C660.2 ; 51.38,108.53 51.38,108.76 ; 51.38,108.53 51.38,108.89 50.1,110.17 40.53,110.17 38.49,112.21 38.49,112.24 32.41,118.32 32.41,166.6 ; 32.41,166.6 32.41,166.74
  Bottom w0.25: 90.14,76.17 89.16,77.15 70.8,77.15 69.82,76.17 68.84,77.15 50.48,77.15 49.5,76.17 48.52,77.15 30.16,77.15 29.18,76.17 28.2,77.15 9.84,77.15 8.86,76.17 ; U800.37 90.25,228.4 89.53,229.11 v1(86.79,229.11)
_BLS: length 93
  Top w0.25: U101.19 218.69,149.21 224.47,143.43 224.47,134.02 225.01,133.47 229.35,133.47 232.06,130.76 v1(242.16,130.76) ; U102.19 265.22,98.1 v1(245.47,98.1)
  Bottom w0.25: v1(242.16,130.76) 242.16,130.19 242.53,129.83 242.53,127.61 245.04,125.09 245.04,98.53 v1(245.47,98.1)
_BOSS: length 224.7
  Top w0.25: U800.39 96.02,233.48 R104.2 ; 127.7,140.15 127.7,139.99 ; 127.7,140.15 127.7,148.94 126.06,150.58 126.06,166.88 123.79,169.15 123.79,173.83 125.22,175.26 v1(125.22,176.78) ; 127.7,140.15 127.7,115.34 125.72,113.36 125.36,113.36 124.85,112.85 124.85,111.76 125.79,110.82 129.93,110.82 130.8,109.96 ; U303.12 140.8,260.73 140.18,261.36 135.27,261.36 133.6,259.69 127.66,259.69 126.57,258.6 v1(126.57,256.67) ; v1(126.75,232.41) 115.79,232.41 112.02,228.65 109.99,228.65 107.45,226.11 104.63,226.11 v1(102.46,228.27)
  Bottom w0.25: 127.31,229.96 127.31,192.13 126.35,191.16 126.35,179.18 125.22,178.05 v1(125.22,176.78) ; 127.31,229.96 127.31,231.08 126.75,231.65 v1(126.75,232.41) 126.75,232.92 127.31,233.48 127.31,255.95 126.59,256.67 ; 127.31,229.96 127.31,230.18 ; U800.39 97.26,233.48 v1(102.46,228.27)
_BR: length 230
  Top w0.25: U100.13 v1(177.61,65.72) ; v1(129.69,162.36) 130.35,161.7 132.49,161.7 133.86,160.32 150.98,160.32 v1(151.74,161.09)
  Bottom w0.25: 123.04,163.58 128.47,163.58 v1(129.69,162.36) ; 123.04,163.58 102.92,163.58 100.38,166.12 100.38,200.51 97.89,203 U800.27 ; 123.04,163.58 125.12,163.58 ; v1(151.74,161.09) 157.38,161.09 165,153.47 ; v1(177.61,65.72) 177.61,74.36 177.68,74.43 177.68,79.49 178.16,79.96 RN100.10 179.82,81.08 179.82,83.04 180.7,83.91 181.49,83.91 183.89,86.31 183.89,108.04 183.89,109.99 178.53,115.35 168.29,115.35 167.1,116.54 167.1,129.31 168.15,130.36 168.15,135.38 166.75,136.78 166.75,148.76 167.46,149.48 167.46,151 165,153.47 ; 165,153.47 165.09,153.37 165.09,153.37
_BRST: length 331.9
  Top w0.25: U607.5 175.95,274.4 176.52,273.82 176.52,271.64 ; 171.5,271.83 171.5,274.37 167.56,274.37 166.81,273.62 166.81,270.57 166.29,270.05 126.68,270.05 117.98,261.35 117.98,250 114.38,246.41 103.79,246.41 101.52,244.14 v1(101.52,243.18) ; 171.5,271.83 176.33,271.83 ; 171.5,271.83 169.38,271.83 ; v1(225.3,271.73) 224.88,272.15 207.58,272.15 v1(207.45,272.02) 193.91,272.02 190.16,268.26 ; 179.14,271.93 179.04,271.83 176.33,271.83 ; 189.55,267.66 190.16,268.26 ; 190.16,268.26 189.04,267.15 177.73,267.15 176.52,268.36 176.52,271.64 ; U300.34 v1(225.35,253.54) ; 176.52,271.64 176.33,271.83 ; U108.10 292.61,237.13 292.05,237.69 283.26,237.69 282.3,238.66
  In1.Cu w0.25: U301.34 279.24,254.67 264.88,254.67 264.38,255.16 254.03,255.16 253.79,254.92 232.77,254.92 U300.34
  Bottom w0.25: 97.87,241.1 98.02,241.1 ; 97.87,241.1 U800.42 ; 97.87,241.1 99.44,241.1 v1(101.52,243.18) ; 207.31,272.16 v1(207.45,272.02) 208.32,271.16 208.32,245.14 196.42,233.24 J300.4 ; v1(282.35,238.66) 282.35,251.56 U301.34 ; v1(225.35,253.54) 225.75,253.94 225.75,271.28 v1(225.3,271.73)
